# Altium PCB FlightControl.PcbDoc (part 3 of 4)
Units mil, origin at the board's own origin, x right, y up, seen from the top; angles counter-clockwise.
Board outline 3041.49 x 3041.4 mil, 2 copper layers (Top Layer, Bottom Layer); 85 components, 57 nets, 277 pads, 426 vias.
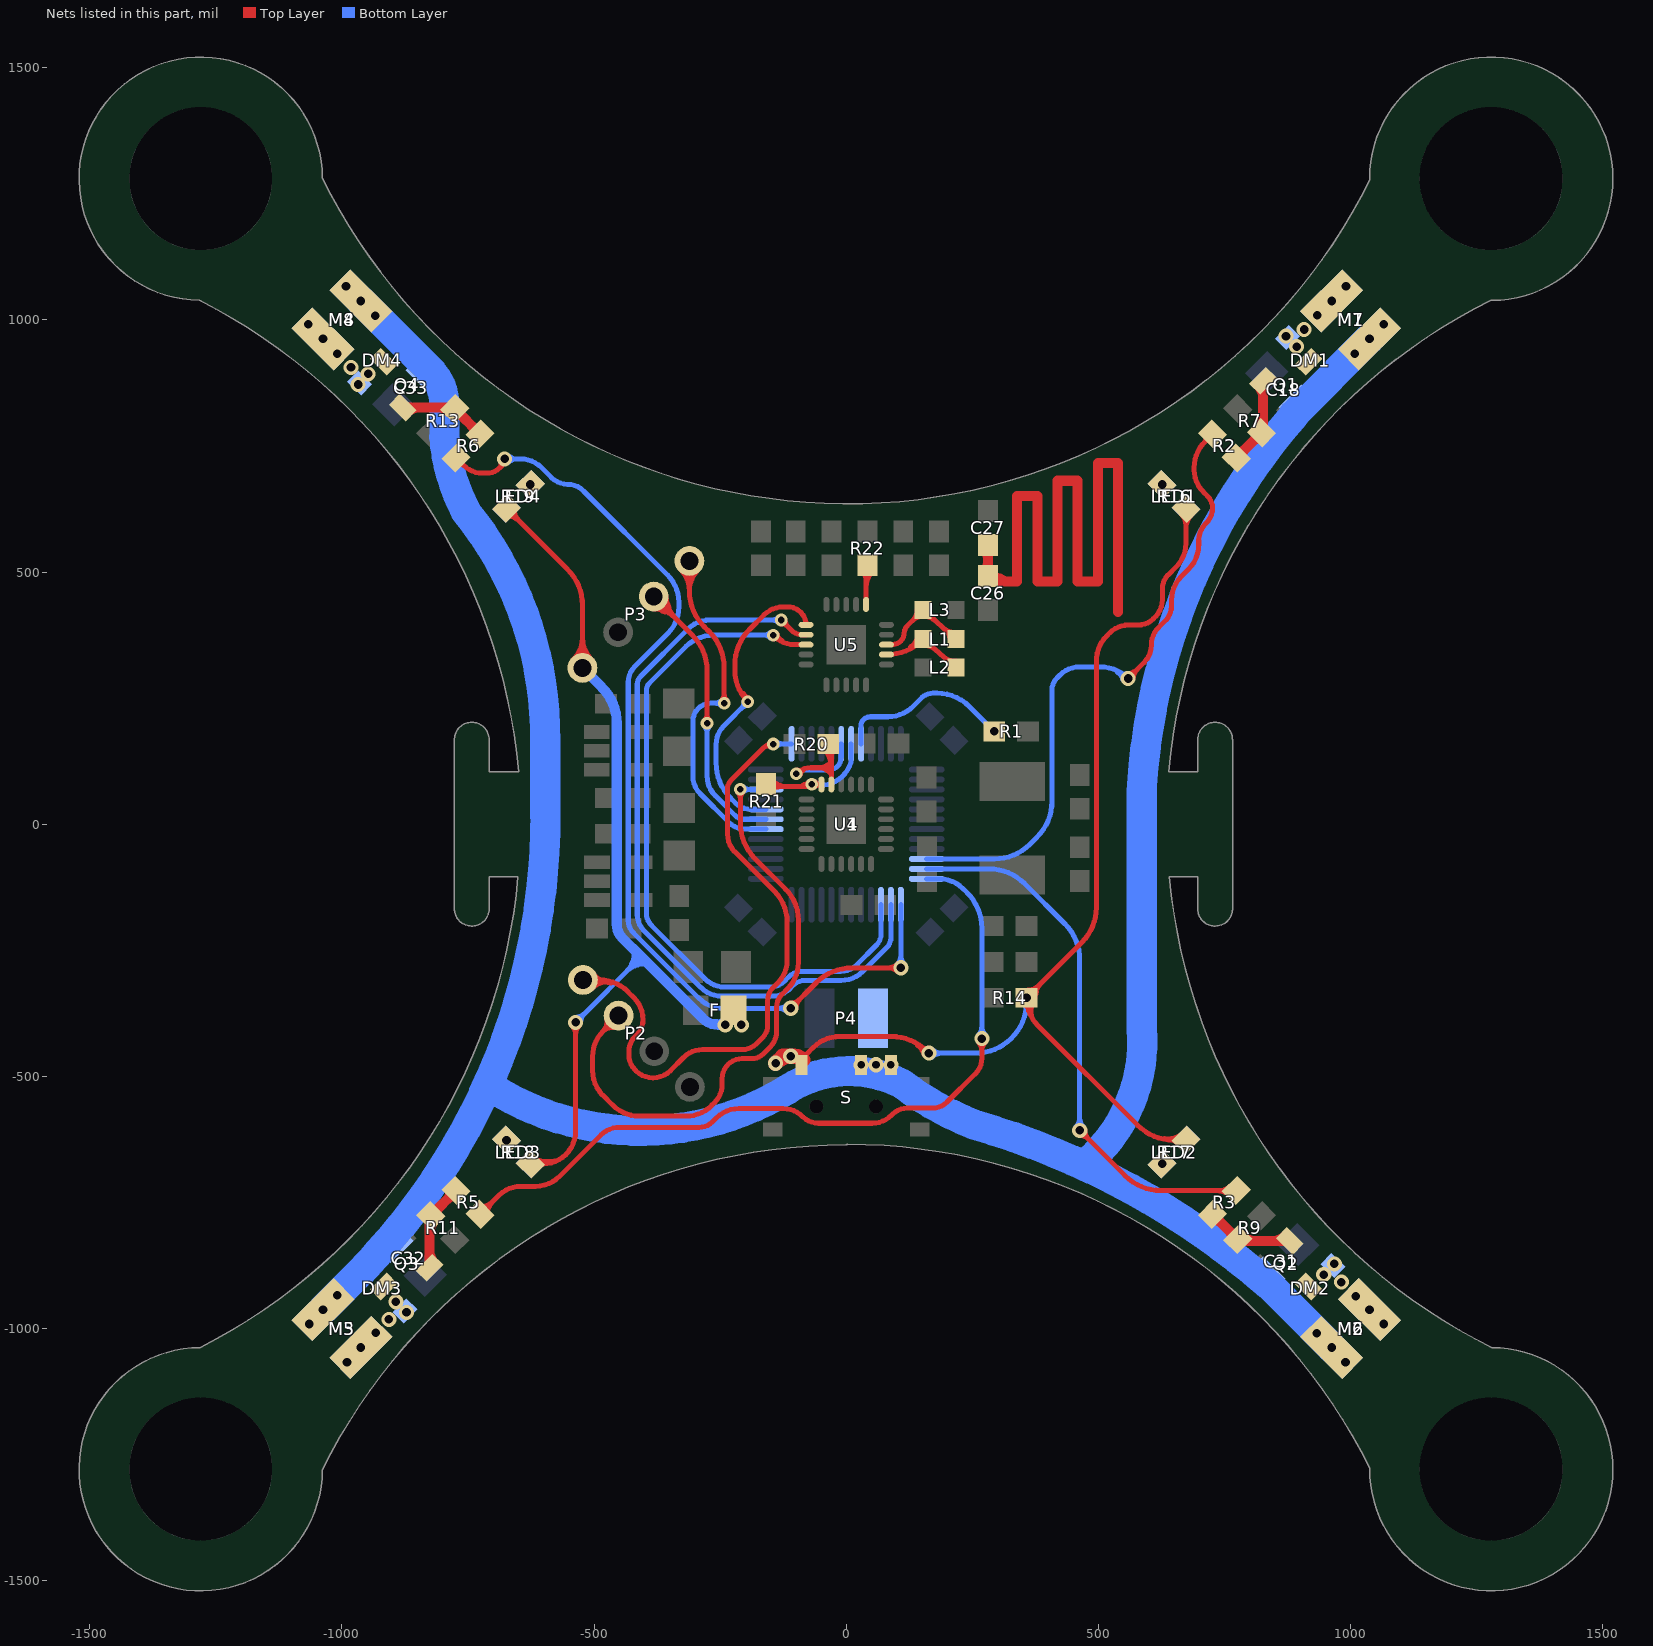
[diagram p3: the nets of this part, all layers, seen from the top]

## Via types
v1: diameter 30, hole 17, Top Layer to Bottom Layer, tented both sides, 126 vias
v2: diameter 30, hole 12, Top Layer to Bottom Layer, tented both sides, 112 vias
v3: diameter 25, hole 12, Top Layer to Bottom Layer, tented both sides, 92 vias
v4: diameter 25, hole 13, Top Layer to Bottom Layer, tented both sides, 36 vias
v5: diameter 16, hole 10, Top Layer to Bottom Layer, tented both sides, 22 vias
v6: diameter 20, hole 10, Top Layer to Bottom Layer, tented both sides, 15 vias
v7: diameter 25.98, hole 12.99, Top Layer to Bottom Layer, tented both sides, 8 vias
v8: diameter 20, hole 12, Top Layer to Bottom Layer, tented both sides, 7 vias
v9: diameter 23, hole 13, Top Layer to Bottom Layer, tented both sides, 5 vias
v10: diameter 30, hole 15, Top Layer to Bottom Layer, tented both sides, 3 vias

## Nets (pads, with @x,y where several pads share a name; then routed paths per layer and width w, separated by ;. In a path a pad name is that pad's centre, name@x,y a point inside that pad or via, vN(x,y) a via of type N, cw(c..) or ccw(c..) an arc to the next point about the centre after c; other vN are vias at no path point) (continued)
NetC26_2: C26.2 C27.2 | length 1921.4
  Top Layer w20: C27.2@281,554 C26.2@281,491.93 291.93,481 339,481 339,651 379,651 379,481 419,481 419,681 459,681 459,481 499,481 499,715.94 539,715.94 539,420.46 ; C26.2@287.79,483.05 cw(c299.21,471.42) 307.36,485.54 ; C26.2@274.15,500.74 ccw(c257.62,517.28) 281,517.28 ; C26.2@274.15,500.74 ccw(c257.62,517.28) 281,517.28 ; C26.2@274.15,500.74 ccw(c257.62,517.28) 281,517.28 ; C27.2@274.15,545.18 cw(c257.62,528.65) 281,528.65 ; C27.2@274.15,545.18 cw(c257.62,528.65) 281,528.65 ; C27.2@274.15,545.18 cw(c257.62,528.65) 281,528.65 ; 281,517.28 ccw(c304.38,517.28) C26.2@287.85,500.74 ; 281,517.28 ccw(c304.38,517.28) C26.2@287.85,500.74 ; 281,517.28 ccw(c304.38,517.28) C26.2@287.85,500.74 ; 281,528.65 cw(c304.38,528.65) C27.2@287.85,545.18 ; 281,528.65 cw(c304.38,528.65) C27.2@287.85,545.18 ; 281,528.65 cw(c304.38,528.65) C27.2@287.85,545.18 ; C26.2@287.85,496.81 ccw(c326.01,534.97) 326.01,481 cw(c326.01,534.97) C26.2@287.85,496.81
NetDM1_1: DM1.1 M1.1 M7.1 Q1.3
  other v1: 893,947 872,968 908,981 934,1009 962.42,1037.58 991,1067
NetDM2_1: DM2.1 M2.1 M6.1 Q2.3
  other v1: 1066,-991 1037.58,-962.42 1010,-936 982,-908 947,-893 968,-872
NetDM3_1: DM3.1 M3.1 M5.1 Q3.3
  other v1: -990,-1067 -962.42,-1037.58 -933,-1008 -907,-982 -872,-968 -893,-947
NetDM4_1: DM4.1 M4.1 M8.1 Q4.3
  other v1: -968,872 -948,893 -982,906 -1009,933 -1037.58,962.42 -1067,991
NetL1_1: L1.1 L2.2 U5.12 | length 890.9
  Top Layer w10: L2.2@217.48,311 L1.1@152.52,367 ; U5.12@80.41,336.32 ccw(c80.41,436.32) L1.1@151.13,365.61 ; U5.12@80.41,336.32 ccw(c80.41,436.32) L1.1@151.13,365.61 ; U5.12@80.41,336.32 U5.12@79.72,336.32 U5.12@80.41,336.32 ; 127.21,351.48 cw(c142.24,326.04) L1.1@149.6,354.65 ; 127.21,351.48 cw(c142.24,326.04) L1.1@149.6,354.65 ; 127.21,351.48 cw(c142.24,326.04) L1.1@149.6,354.65 ; 127.21,351.48 cw(c142.24,326.04) L1.1@149.6,354.65 ; 127.21,351.48 cw(c142.24,326.04) L1.1@149.6,354.65 ; 127.21,351.48 cw(c142.24,326.04) L1.1@149.6,354.65 ; 128.69,352.35 ccw(c114.9,375.69) L1.1@141.16,368.94 ; 128.69,352.35 ccw(c114.9,375.69) L1.1@141.16,368.94 ; 128.69,352.35 ccw(c114.9,375.69) L1.1@141.16,368.94 ; 128.69,352.35 ccw(c114.9,375.69) L1.1@141.16,368.94 ; 128.69,352.35 ccw(c114.9,375.69) L1.1@141.16,368.94 ; 128.69,352.35 ccw(c114.9,375.69) L1.1@141.16,368.94 ; L1.1@135.99,359.78 cw(c146.29,353.97) L1.1@151.72,364.48 ; L1.1@135.99,359.78 cw(c146.29,353.97) L1.1@151.72,364.48 ; L1.1@135.99,359.78 cw(c146.29,353.97) L1.1@151.72,364.48 ; L1.1@135.99,359.78 cw(c146.29,353.97) L1.1@151.72,364.48 ; L1.1@135.99,359.78 cw(c146.29,353.97) L1.1@151.72,364.48 ; L1.1@135.99,359.78 cw(c146.29,353.97) L1.1@151.72,364.48 ; L1.1@151.13,365.61 L1.1@152.52,367 ; L1.1@151.13,365.61 L1.1@152.52,367 ; L1.1@153.39,354.32 cw(c155.67,323.53) 175.82,346.91 ; L1.1@153.39,354.32 cw(c155.67,323.53) 175.82,346.91 ; L1.1@153.39,354.32 cw(c155.67,323.53) 175.82,346.91 ; L1.1@164.22,366.88 ccw(c189.93,368.79) 173.1,349.26 ; L1.1@164.22,366.88 ccw(c189.93,368.79) 173.1,349.26 ; L1.1@164.22,366.88 ccw(c189.93,368.79) 173.1,349.26 ; 194.18,331.09 ccw(c214.33,354.47) L2.2@216.61,323.68 ; 194.18,331.09 ccw(c214.33,354.47) L2.2@216.61,323.68 ; 194.18,331.09 ccw(c214.33,354.47) L2.2@216.61,323.68 ; 196.9,328.74 cw(c180.07,309.21) L2.2@205.78,311.12 ; 196.9,328.74 cw(c180.07,309.21) L2.2@205.78,311.12 ; 196.9,328.74 cw(c180.07,309.21) L2.2@205.78,311.12
NetL1_2: L1.2 L3.2 U5.13 | length 825.2
  Top Layer w10: L1.2@217.48,367 L3.2@152.52,425 ; U5.13@90.46,356 ccw(c90.46,381.45) 97.19,356.91 ; U5.13@90.46,356 ccw(c90.46,381.45) 97.19,356.91 ; U5.13@90.46,356 U5.13@79.72,356 U5.13@90.46,356 ; 97.19,356.91 ccw(c90.46,381.45) 108.45,363.45 ; 108.45,363.45 108.82,363.82 ; 108.45,363.45 108.82,363.82 ; 108.82,363.82 ccw(c93.9,378.74) 115,378.74 ; 108.82,363.82 ccw(c93.9,378.74) 115,378.74 ; 115,378.74 cw(c136.1,378.74) 121.18,393.66 ; 115,378.74 cw(c136.1,378.74) 121.18,393.66 ; 121.18,393.66 L3.2@152.52,425 ; 121.18,393.66 L3.2@152.52,425 ; 130.81,403.29 cw(c152.52,381.58) L3.2@152.52,412.28 ; 130.81,403.29 cw(c152.52,381.58) L3.2@152.52,412.28 ; 130.81,403.29 cw(c152.52,381.58) L3.2@152.52,412.28 ; 130.81,403.29 cw(c152.52,381.58) L3.2@152.52,412.28 ; 130.81,403.29 cw(c152.52,381.58) L3.2@152.52,412.28 ; 130.81,403.29 cw(c152.52,381.58) L3.2@152.52,412.28 ; 133.19,405.67 ccw(c114.84,424.02) L3.2@140.79,424.02 ; 133.19,405.67 ccw(c114.84,424.02) L3.2@140.79,424.02 ; 133.19,405.67 ccw(c114.84,424.02) L3.2@140.79,424.02 ; 133.19,405.67 ccw(c114.84,424.02) L3.2@140.79,424.02 ; 133.19,405.67 ccw(c114.84,424.02) L3.2@140.79,424.02 ; 133.19,405.67 ccw(c114.84,424.02) L3.2@140.79,424.02 ; L3.2@153.18,412.3 cw(c154.93,381.52) 175.46,404.52 ; L3.2@153.18,412.3 cw(c154.93,381.52) 175.46,404.52 ; L3.2@153.18,412.3 cw(c154.93,381.52) 175.46,404.52 ; L3.2@164.23,424.68 ccw(c190.01,426.14) 172.82,406.88 ; L3.2@164.23,424.68 ccw(c190.01,426.14) 172.82,406.88 ; L3.2@164.23,424.68 ccw(c190.01,426.14) 172.82,406.88 ; 194.54,387.48 ccw(c215.07,410.48) L1.2@216.82,379.7 ; 194.54,387.48 ccw(c215.07,410.48) L1.2@216.82,379.7 ; 194.54,387.48 ccw(c215.07,410.48) L1.2@216.82,379.7 ; 197.18,385.12 cw(c179.99,365.86) L1.2@205.77,367.32 ; 197.18,385.12 cw(c179.99,365.86) L1.2@205.77,367.32 ; 197.18,385.12 cw(c179.99,365.86) L1.2@205.77,367.32
NetLED0_1: 
NetLED1_1: LED1.1 R16.2
  other v1: 626.34,673.66
NetLED2_1: LED2.1 R17.2
  other v1: 626.34,-673.66
NetLED3_1: LED3.1 R18.2
  other v1: -673.66,-626.34
NetLED4_1: LED4.1 R19.2
  other v1: -626.34,673.66
NetP4_2: C18.2 C31.2 C32.2 C33.2 DM1.2 DM2.2 DM3.2 DM4.2 M1.2 M2.2 M3.2 M4.2 M5.2 M6.2 M7.2 M8.2 P4.2 S.2 S.3 | length 17232.8
  Bottom Layer w60: -943.87,-867.54 cw(c-1892.24,15.44) DM3.2@-959.42,-883.95 ; -797,768 ccw(c-415,799) -754.38,620.94 ; -796.63,768.37 -796.63,830.37 ; -707.67,-519.7 ccw(c-407.12,-51.77) -115.61,-525.38 ; 252.83,-595.4 cw(c-177.46,-2084.92) C31.2@839.44,-914.57 ; v1(-1037.58,-962.42) DM3.2@-959.42,-884.26 ; v1(-1037.58,-962.42) DM3.2@-959.42,-884.26 ; v1(-1037.58,-962.42) DM3.2@-959.42,-884.26 ; v1(-962.42,1037.58) C33.2@-825.92,901.08 ; v1(-962.42,1037.58) C33.2@-825.92,901.08 ; v1(-962.42,1037.58) C33.2@-825.92,901.08 ; DM3.2@-959.42,-883.95 ccw(c-1892.24,15.44) -597.22,60.1 ; DM3.2@-959.42,-883.95 ccw(c-1892.24,15.44) -597.22,60.1 ; DM3.2@-959.42,-883.95 ccw(c-1892.24,15.44) -597.22,60.1 ; DM3.2@-959.42,-883.95 ccw(c-1892.24,15.44) -597.22,60.1 ; C33.2@-825.92,901.08 cw(c-896.63,830.37) -796.63,830.37 ; C33.2@-825.92,901.08 cw(c-896.63,830.37) -796.63,830.37 ; C33.2@-825.92,901.08 cw(c-896.63,830.37) -796.63,830.37 ; C33.2@-825.92,901.08 cw(c-896.63,830.37) -796.63,830.37 ; -754.76,620.75 cw(c-1308.83,173.86) -597.05,165.17 ; -754.76,620.75 cw(c-1308.83,173.86) -597.05,165.17 ; -754.76,620.75 cw(c-1308.83,173.86) -597.05,165.17 ; -754.76,620.75 cw(c-1308.83,173.86) -597.05,165.17 ; -597,15.44 -597,173.86 ; -597,15.44 -597,173.86 ; -597,15.44 -597,173.86 ; -115.61,-525.38 cw(c6.39,-715) 110.39,-514.95 ; -115.61,-525.38 cw(c6.39,-715) 110.39,-514.95 ; 110.39,-514.95 ccw(c473.72,-36.67) 252.9,-595.24 cw(c473.72,-36.67) 110.39,-514.95 ; 473.34,-674.96 ccw(c269.5,-431.5) 586,-406 ; 473.34,-674.96 ccw(c269.5,-431.5) 586,-406 ; 473.34,-674.96 ccw(c269.5,-431.5) 586,-406 ; 473.34,-674.96 ccw(c269.5,-431.5) 586,-406 ; 586,-406 586,57 ; 586,-406 586,57 ; 586,-406 586,57 ; 586,57 cw(c1751.37,40.91) 586.46,77.23 ; 586,57 cw(c1751.37,40.91) 586.46,77.23 ; 586,57 cw(c1751.37,40.91) 586.46,77.23 ; 586,57 cw(c1751.37,40.91) 586.46,77.23 ; 586.45,77.23 cw(c1833.61,-6.16) C18.2@888.17,811.46 ; 586.45,77.23 cw(c1833.61,-6.16) C18.2@888.17,811.46 ; 586.45,77.23 cw(c1833.61,-6.16) C18.2@888.17,811.46 ; 586.45,77.23 cw(c1833.61,-6.16) C18.2@888.17,811.46 ; C31.2@839.42,-914.58 v1(962.42,-1037.58) ; C31.2@839.42,-914.58 v1(962.42,-1037.58) ; C31.2@839.42,-914.58 v1(962.42,-1037.58) ; C18.2@887.39,812.23 v1(1037.58,962.42) ; C18.2@887.39,812.23 v1(1037.58,962.42) ; C18.2@887.39,812.23 v1(1037.58,962.42)
  other v1: 990,-1067 933,-1009 -1065,-991 -1009,-934 1008,933 1066,991 -934,1008 -992,1067
  other v10: 29.53,-477.32 59,-477 88.58,-477.32
NetQ1_1: Q1.1 R2.2 R7.1 | length 455
  Top Layer w20: R2.2@773.66,726.34 R7.1@823.66,776.34 ; R7.1@815.42,784.58 ccw(c788.59,811.41) 826.54,811.41 ; Q1.1@816.91,869.8 cw(c793.65,846.55) 826.54,846.55 ; Q1.1@826.54,879.43 826.54,788.9 R7.1@813.98,776.34 ; R2.2@773.66,736.02 ccw(c773.66,759.4) 790.2,742.87 ; R2.2@773.66,736.02 ccw(c773.66,759.4) 790.2,742.87 ; R2.2@773.66,736.02 ccw(c773.66,759.4) 790.2,742.87 ; R2.2@783.35,726.34 cw(c806.73,726.34) 790.2,742.87 ; R2.2@783.35,726.34 cw(c806.73,726.34) 790.2,742.87 ; R2.2@783.35,726.34 cw(c806.73,726.34) 790.2,742.87 ; 807.13,759.8 ccw(c790.6,776.34) R7.1@813.98,776.34 ; 807.13,759.8 cw(c823.66,743.27) R7.1@823.66,766.65 ; 807.13,759.8 ccw(c790.6,776.34) R7.1@813.98,776.34 ; 807.13,759.8 cw(c823.66,743.27) R7.1@823.66,766.65 ; 807.13,759.8 ccw(c790.6,776.34) R7.1@813.98,776.34 ; 807.13,759.8 cw(c823.66,743.27) R7.1@823.66,766.65
NetQ2_1: Q2.1 R3.2 R9.1 | length 453.4
  Top Layer w20: R3.2@726.34,-773.66 R9.1@775.18,-822.51 ; R9.1@784.58,-815.42 ccw(c811.42,-788.58) 811.42,-826.54 ; 846.55,-826.54 ccw(c846.55,-793.65) Q2.1@869.8,-816.91 ; Q2.1@879.43,-826.54 788.9,-826.54 R9.1@776.34,-813.98 ; R3.2@726.34,-783.35 cw(c726.34,-806.73) 742.87,-790.2 ; R3.2@726.34,-783.35 cw(c726.34,-806.73) 742.87,-790.2 ; R3.2@726.34,-783.35 cw(c726.34,-806.73) 742.87,-790.2 ; R3.2@736.02,-773.66 ccw(c759.4,-773.66) 742.87,-790.2 ; R3.2@736.02,-773.66 ccw(c759.4,-773.66) 742.87,-790.2 ; R3.2@736.02,-773.66 ccw(c759.4,-773.66) 742.87,-790.2 ; 759.8,-807.13 ccw(c776.34,-790.6) R9.1@776.34,-813.98 ; 759.8,-807.13 cw(c743.27,-823.66) R9.1@766.65,-823.66 ; 759.8,-807.13 ccw(c776.34,-790.6) R9.1@776.34,-813.98 ; 759.8,-807.13 cw(c743.27,-823.66) R9.1@766.65,-823.66 ; 759.8,-807.13 ccw(c776.34,-790.6) R9.1@776.34,-813.98 ; 759.8,-807.13 cw(c743.27,-823.66) R9.1@766.65,-823.66
NetQ3_1: Q3.1 R5.2 R11.1 | length 460.7
  Top Layer w20: Q3.1@-826.54,-879.43 -826.54,-769.53 R11.1@-823.66,-766.65 ; -826.54,-846.55 ccw(c-793.65,-846.55) Q3.1@-816.91,-869.8 ; -826.54,-811.41 cw(c-788.58,-811.41) R11.1@-815.42,-784.58 ; R11.1@-823.66,-776.34 R5.2@-773.66,-726.34 ; R11.1@-823.66,-766.65 ccw(c-823.66,-743.27) -807.13,-759.8 ; R11.1@-823.66,-766.65 ccw(c-823.66,-743.27) -807.13,-759.8 ; R11.1@-823.66,-766.65 ccw(c-823.66,-743.27) -807.13,-759.8 ; R11.1@-813.98,-776.34 cw(c-790.6,-776.34) -807.13,-759.8 ; R11.1@-813.98,-776.34 cw(c-790.6,-776.34) -807.13,-759.8 ; R11.1@-813.98,-776.34 cw(c-790.6,-776.34) -807.13,-759.8 ; -790.2,-742.87 ccw(c-806.73,-726.34) R5.2@-783.35,-726.34 ; -790.2,-742.87 cw(c-773.66,-759.4) R5.2@-773.66,-736.02 ; -790.2,-742.87 ccw(c-806.73,-726.34) R5.2@-783.35,-726.34 ; -790.2,-742.87 cw(c-773.66,-759.4) R5.2@-773.66,-736.02 ; -790.2,-742.87 ccw(c-806.73,-726.34) R5.2@-783.35,-726.34 ; -790.2,-742.87 cw(c-773.66,-759.4) R5.2@-773.66,-736.02
NetQ4_1: Q4.1 R6.2 R13.1 | length 460.7
  Top Layer w20: Q4.1@-879.43,826.54 -769.53,826.54 R13.1@-766.65,823.66 ; Q4.1@-869.8,816.91 cw(c-846.55,793.65) -846.55,826.54 ; -811.41,826.54 cw(c-811.41,788.59) R13.1@-784.58,815.42 ; R13.1@-776.34,823.66 R6.2@-726.34,773.66 ; R13.1@-776.34,813.98 cw(c-776.34,790.6) -759.8,807.13 ; R13.1@-776.34,813.98 cw(c-776.34,790.6) -759.8,807.13 ; R13.1@-776.34,813.98 cw(c-776.34,790.6) -759.8,807.13 ; R13.1@-766.65,823.66 ccw(c-743.27,823.66) -759.8,807.13 ; R13.1@-766.65,823.66 ccw(c-743.27,823.66) -759.8,807.13 ; R13.1@-766.65,823.66 ccw(c-743.27,823.66) -759.8,807.13 ; -742.87,790.2 ccw(c-726.34,806.73) R6.2@-726.34,783.35 ; -742.87,790.2 cw(c-759.4,773.66) R6.2@-736.02,773.66 ; -742.87,790.2 ccw(c-726.34,806.73) R6.2@-726.34,783.35 ; -742.87,790.2 cw(c-759.4,773.66) R6.2@-736.02,773.66 ; -742.87,790.2 ccw(c-726.34,806.73) R6.2@-726.34,783.35 ; -742.87,790.2 cw(c-759.4,773.66) R6.2@-736.02,773.66
NetR1_2: R1.2 U1.44 | length 466.4
  Bottom Layer w10: U1.44@29.53,159.45 29.53,196.33 cw(c44.8,196.33) 34,207.13 cw(c48.49,192.64) 48.49,213.13 82.61,213.13 ccw(c82.61,284.39) 133,234 150,251 cw(c171.73,229.27) 171.73,260 180,260 cw(c180,169.38) 244.08,233.46 v1(293.54,184) ; 276.46,201.07 ccw(c293.54,218.14) v1@293.54,194 ; 276.46,201.07 cw(c259.39,184) v1@283.54,184 ; 276.46,201.07 ccw(c293.54,218.14) v1@293.54,194 ; 276.46,201.07 cw(c259.39,184) v1@283.54,184 ; 276.46,201.07 ccw(c293.54,218.14) v1@293.54,194 ; 276.46,201.07 cw(c259.39,184) v1@283.54,184
NetR22_1: R22.1 U5.16 | length 246
  Top Layer w10: U5.16@39.37,435.72 39.37,510.91 R22.1@42,513.54 ; R22.1@31.62,501.18 cw(c12.9,482.46) 39.37,482.46 ; R22.1@31.62,501.18 cw(c12.9,482.46) 39.37,482.46 ; R22.1@31.62,501.18 cw(c12.9,482.46) 39.37,482.46 ; 39.37,469.77 cw(c83.8,469.77) R22.1@52.38,501.18 ; 39.37,469.77 cw(c83.8,469.77) R22.1@52.38,501.18 ; 39.37,469.77 cw(c83.8,469.77) R22.1@52.38,501.18
PGND: 
PWM1: R2.1 U1.10 | length 1724.5
  Top Layer w10: R2.1@726.34,773.66 711.33,758.65 ; v1(559,289) ccw(c555.49,306.12) 572.38,301.6 ; v1(559,289) cw(c576.12,285.49) 571.6,302.38 ; v1(559,289) ccw(c555.49,306.12) 572.38,301.6 ; v1(559,289) cw(c576.12,285.49) 571.6,302.38 ; v1(559,289) ccw(c555.49,306.12) 572.38,301.6 ; v1(559,289) cw(c576.12,285.49) 571.6,302.38 ; v1(559,289) 591,321 ccw(c557.2,354.8) 605,354.8 605,355 cw(c655.7,355) 619.83,390.83 633.69,404.69 ccw(c606.37,432) 645,432 645,444 cw(c712.6,444) 664.78,491.78 679.2,506.2 ccw(c631.4,554) 699,554 699,562.67 cw(c745.67,562.67) 712.67,595.67 713.85,596.85 ccw(c683.7,627) 726.34,627 ccw(c693.36,627) 716.69,650.31 708.17,658.83 cw(c752.03,702.69) 690,702.69 690,707.16 cw(c762.82,707.16) 711.33,758.65 ; v1@559,299 ccw(c559,323.14) 576.07,306.07 ; v1@559,299 ccw(c559,323.14) 576.07,306.07 ; v1@559,299 ccw(c559,323.14) 576.07,306.07 ; v1@569,289 cw(c593.14,289) 576.07,306.07 ; v1@569,289 cw(c593.14,289) 576.07,306.07 ; v1@569,289 cw(c593.14,289) 576.07,306.07 ; 711.33,758.65 ccw(c705.67,764.31) R2.1@712.96,767.61 ; 711.33,758.65 cw(c716.98,753) R2.1@720.28,760.29 ; 711.33,758.65 ccw(c705.67,764.31) R2.1@712.96,767.61 ; 711.33,758.65 cw(c716.98,753) R2.1@720.28,760.29 ; 711.33,758.65 ccw(c705.67,764.31) R2.1@712.96,767.61 ; 711.33,758.65 cw(c716.98,753) R2.1@720.28,760.29
  Bottom Layer w10: U1.10@159.45,-68.9 293.68,-68.9 ccw(c293.68,31.1) 364.39,-39.61 378.71,-25.29 ccw(c308,45.42) 408,45.42 408,265.86 cw(c442.14,265.86) 417.98,289.98 424,296 cw(c462.63,257.37) 462.63,312 503.47,312 cw(c503.47,233.47) v1(559,289) ; 538.11,301.06 ccw(c550.16,321.95) v1@556.41,298.66 ; 538.11,301.06 ccw(c550.16,321.95) v1@556.41,298.66 ; 538.11,301.06 ccw(c550.16,321.95) v1@556.41,298.66 ; 538.08,301.08 cw(c526,280.15) v1@549.34,286.41 ; 538.08,301.08 cw(c526,280.15) v1@549.34,286.41 ; 538.08,301.08 cw(c526,280.15) v1@549.34,286.41 ; 540.3,302.06 ccw(c549.55,307.41) v1@554.43,297.9 ; 540.3,302.06 ccw(c549.55,307.41) v1@554.43,297.9 ; 540.3,302.06 ccw(c549.55,307.41) v1@554.43,297.9
PWM2: R3.1 U1.11 | length 1598.8
  Top Layer w10: R3.1@773.66,-726.34 623.76,-726.34 cw(c623.76,-626.34) 553.05,-697.05 v1(463,-607) ; v1@463,-617 cw(c463,-641.14) 480.07,-624.07 ; v1@463,-617 cw(c463,-641.14) 480.07,-624.07 ; v1@463,-617 cw(c463,-641.14) 480.07,-624.07 ; v1(463,-607) ccw(c480.12,-603.49) 475.6,-620.38 ; v1(463,-607) cw(c459.49,-624.12) 476.38,-619.6 ; v1(463,-607) ccw(c480.12,-603.49) 475.6,-620.38 ; v1(463,-607) cw(c459.49,-624.12) 476.38,-619.6 ; v1(463,-607) ccw(c480.12,-603.49) 475.6,-620.38 ; v1(463,-607) cw(c459.49,-624.12) 476.38,-619.6 ; v1@473,-607 ccw(c497.14,-607) 480.07,-624.07 ; v1@473,-607 ccw(c497.14,-607) 480.07,-624.07 ; v1@473,-607 ccw(c497.14,-607) 480.07,-624.07 ; 733.46,-726.34 cw(c733.46,-766.54) R3.1@761.89,-738.11 ; 733.46,-726.34 cw(c733.46,-766.54) R3.1@761.89,-738.11 ; 733.46,-726.34 cw(c733.46,-766.54) R3.1@761.89,-738.11 ; 740.18,-726.34 ccw(c740.18,-695.64) R3.1@761.89,-717.34 ; 740.18,-726.34 ccw(c740.18,-695.64) R3.1@761.89,-717.34 ; 740.18,-726.34 ccw(c740.18,-695.64) R3.1@761.89,-717.34
  Bottom Layer w10: U1.11@159.45,-88.58 283.16,-88.58 cw(c283.16,-188.58) 353.87,-117.87 433.71,-197.71 cw(c363,-268.42) 463,-268.42 v1(463,-607) ; v1@455.93,-599.93 ccw(c438.86,-582.86) 463,-582.86 ; v1@455.93,-599.93 ccw(c438.86,-582.86) 463,-582.86 ; v1@455.93,-599.93 ccw(c438.86,-582.86) 463,-582.86 ; 463,-582.86 ccw(c487.14,-582.86) v1@470.07,-599.93 ; 463,-582.86 ccw(c487.14,-582.86) v1@470.07,-599.93 ; 463,-582.86 ccw(c487.14,-582.86) v1@470.07,-599.93
PWM3: R5.1 U1.12 | length 1953.3
  Top Layer w10: R5.1@-726.34,-773.66 -688.83,-736.15 cw(c-645,-779.98) -645,-718 -616.28,-718 ccw(c-616.28,-649.72) -568,-698 -486.55,-616.55 cw(c-449,-654.11) -449,-601 -291.56,-601 ccw(c-291.56,-563.44) -265.03,-590.03 ; -265,-590 -257.5,-582.5 cw(c-212.84,-627.16) -212.84,-564 -125.01,-564 cw(c-125.01,-619.56) -85.75,-580.25 ccw(c-55,-549.54) -55,-593 51.37,-593 ccw(c51.37,-538.37) 89.98,-577.02 91.98,-575.02 cw(c121,-604.04) 121,-563 171.03,-563 ccw(c171.03,-522.03) 200,-551 256,-495 ccw(c224.62,-463.62) 269,-463.62 v1(269,-425) ; R5.1@-726.34,-758.98 ccw(c-726.34,-723.52) -701.27,-748.59 ; R5.1@-726.34,-758.98 ccw(c-726.34,-723.52) -701.27,-748.59 ; R5.1@-726.34,-758.98 ccw(c-726.34,-723.52) -701.27,-748.59 ; R5.1@-711.65,-773.66 cw(c-676.2,-773.66) -701.27,-748.59 ; R5.1@-711.65,-773.66 cw(c-676.2,-773.66) -701.27,-748.59 ; R5.1@-711.65,-773.66 cw(c-676.2,-773.66) -701.27,-748.59 ; v1@261.93,-432.07 cw(c244.86,-449.14) 269,-449.14 ; v1@261.93,-432.07 cw(c244.86,-449.14) 269,-449.14 ; v1@261.93,-432.07 cw(c244.86,-449.14) 269,-449.14 ; 269,-449.14 cw(c293.14,-449.14) v1@276.07,-432.07 ; 269,-449.14 cw(c293.14,-449.14) v1@276.07,-432.07 ; 269,-449.14 cw(c293.14,-449.14) v1@276.07,-432.07
  Bottom Layer w10: U1.12@159.45,-108.27 184.36,-108.27 cw(c184.36,-175.64) 232,-128 239.71,-135.71 cw(c169,-206.42) 269,-206.42 v1(269,-425) ; v1@261.93,-417.93 ccw(c244.86,-400.86) 269,-400.86 ; v1@261.93,-417.93 ccw(c244.86,-400.86) 269,-400.86 ; v1@261.93,-417.93 ccw(c244.86,-400.86) 269,-400.86 ; 269,-400.86 ccw(c293.14,-400.86) v1@276.07,-417.93 ; 269,-400.86 ccw(c293.14,-400.86) v1@276.07,-417.93 ; 269,-400.86 ccw(c293.14,-400.86) v1@276.07,-417.93
PWM4: R6.1 U1.13 | length 2807.5
  Top Layer w10: R6.1@-773.66,726.34 -759.35,712.02 ccw(c-720.66,750.71) -720.66,696 -712.61,696 ccw(c-712.61,731.27) -687.69,706.31 ; v1(-677.34,724.34) cw(c-695.87,724.34) -682.77,711.23 -687.67,706.33 ; v1(108.27,-284.73) 11.69,-284.73 ccw(c11.69,-384.73) -59.02,-314.02 v1(-110,-365) ; R6.1@-767.01,713.24 cw(c-764.02,707.35) -759.35,712.03 ; R6.1@-767.01,713.24 cw(c-764.02,707.35) -759.35,712.03 ; R6.1@-767.01,713.24 cw(c-764.02,707.35) -759.35,712.03 ; R6.1@-760.57,719.69 ccw(c-754.68,716.7) -759.35,712.03 ; R6.1@-760.57,719.69 ccw(c-754.68,716.7) -759.35,712.03 ; R6.1@-760.57,719.69 ccw(c-754.68,716.7) -759.35,712.03 ; -687.67,706.33 ccw(c-695.25,713.92) v1@-685.98,719.31 ; -687.67,706.33 ccw(c-695.25,713.92) v1@-685.98,719.31 ; -687.67,706.33 ccw(c-695.25,713.92) v1@-685.98,719.31 ; v1(-110,-365) cw(c-92.88,-368.51) -97.4,-351.62 ; v1(-110,-365) ccw(c-113.51,-347.88) -96.62,-352.4 ; v1(-110,-365) cw(c-92.88,-368.51) -97.4,-351.62 ; v1(-110,-365) cw(c-92.88,-368.51) -97.4,-351.62 ; v1(-110,-365) ccw(c-113.51,-347.88) -96.62,-352.4 ; v1(-110,-365) ccw(c-113.51,-347.88) -96.62,-352.4 ; v1@-110,-355 ccw(c-110,-330.86) -92.93,-347.93 ; v1@-110,-355 ccw(c-110,-330.86) -92.93,-347.93 ; v1@-110,-355 ccw(c-110,-330.86) -92.93,-347.93 ; v1@-100,-365 cw(c-75.86,-365) -92.93,-347.93 ; v1@-100,-365 cw(c-75.86,-365) -92.93,-347.93 ; v1@-100,-365 cw(c-75.86,-365) -92.93,-347.93 ; 84.13,-284.73 ccw(c84.13,-260.59) v1@101.2,-277.66 ; 84.13,-284.73 cw(c84.13,-308.87) v1@101.2,-291.8 ; 84.13,-284.73 ccw(c84.13,-260.59) v1@101.2,-277.66 ; 84.13,-284.73 cw(c84.13,-308.87) v1@101.2,-291.8 ; 84.13,-284.73 ccw(c84.13,-260.59) v1@101.2,-277.66 ; 84.13,-284.73 cw(c84.13,-308.87) v1@101.2,-291.8
  Bottom Layer w10: v1(-677.34,724.34) -646,724.34 cw(c-646,664.8) -603.9,706.9 -584.08,687.08 ; -584.06,687.06 ccw(c-552.5,718.66) -552.5,674 cw(c-552.5,629.34) -520.94,660.94 ; -520.92,660.92 -354.63,494.63 cw(c-409.25,440) -332,440 -332,431.11 cw(c-407.11,431.11) -354,378 -419,313 ; -419.03,312.97 ccw(c-387.03,281.03) -432.24,281.03 -432.24,-191 ccw(c-398.36,-191) -422.32,-214.96 -292.28,-345 ccw(c-243.99,-296.72) -243.99,-365 v1(-110,-365) ; v1(108.27,-284.73) U1.13@108.27,-159.45 ; v1@-670.27,717.27 cw(c-653.2,700.2) -653.2,724.34 ; v1@-670.27,717.27 cw(c-653.2,700.2) -653.2,724.34 ; v1@-670.27,717.27 cw(c-653.2,700.2) -653.2,724.34 ; v1@-670.27,731.41 ccw(c-653.2,748.48) -653.2,724.34 ; v1@-670.27,731.41 ccw(c-653.2,748.48) -653.2,724.34 ; v1@-670.27,731.41 ccw(c-653.2,748.48) -653.2,724.34 ; -134.14,-365 ccw(c-134.14,-340.86) v1@-117.07,-357.93 ; -134.14,-365 cw(c-134.14,-389.14) v1@-117.07,-372.07 ; -134.14,-365 ccw(c-134.14,-340.86) v1@-117.07,-357.93 ; -134.14,-365 cw(c-134.14,-389.14) v1@-117.07,-372.07 ; -134.14,-365 ccw(c-134.14,-340.86) v1@-117.07,-357.93 ; -134.14,-365 cw(c-134.14,-389.14) v1@-117.07,-372.07 ; v1@101.2,-277.66 ccw(c84.13,-260.59) 108.27,-260.59 ; v1@101.2,-277.66 ccw(c84.13,-260.59) 108.27,-260.59 ; v1@101.2,-277.66 ccw(c84.13,-260.59) 108.27,-260.59 ; 108.27,-260.59 ccw(c132.41,-260.59) v1@115.34,-277.66 ; 108.27,-260.59 ccw(c132.41,-260.59) v1@115.34,-277.66 ; 108.27,-260.59 ccw(c132.41,-260.59) v1@115.34,-277.66